# KiCad board SF_01 Compute Board.kicad_pcb (continued)
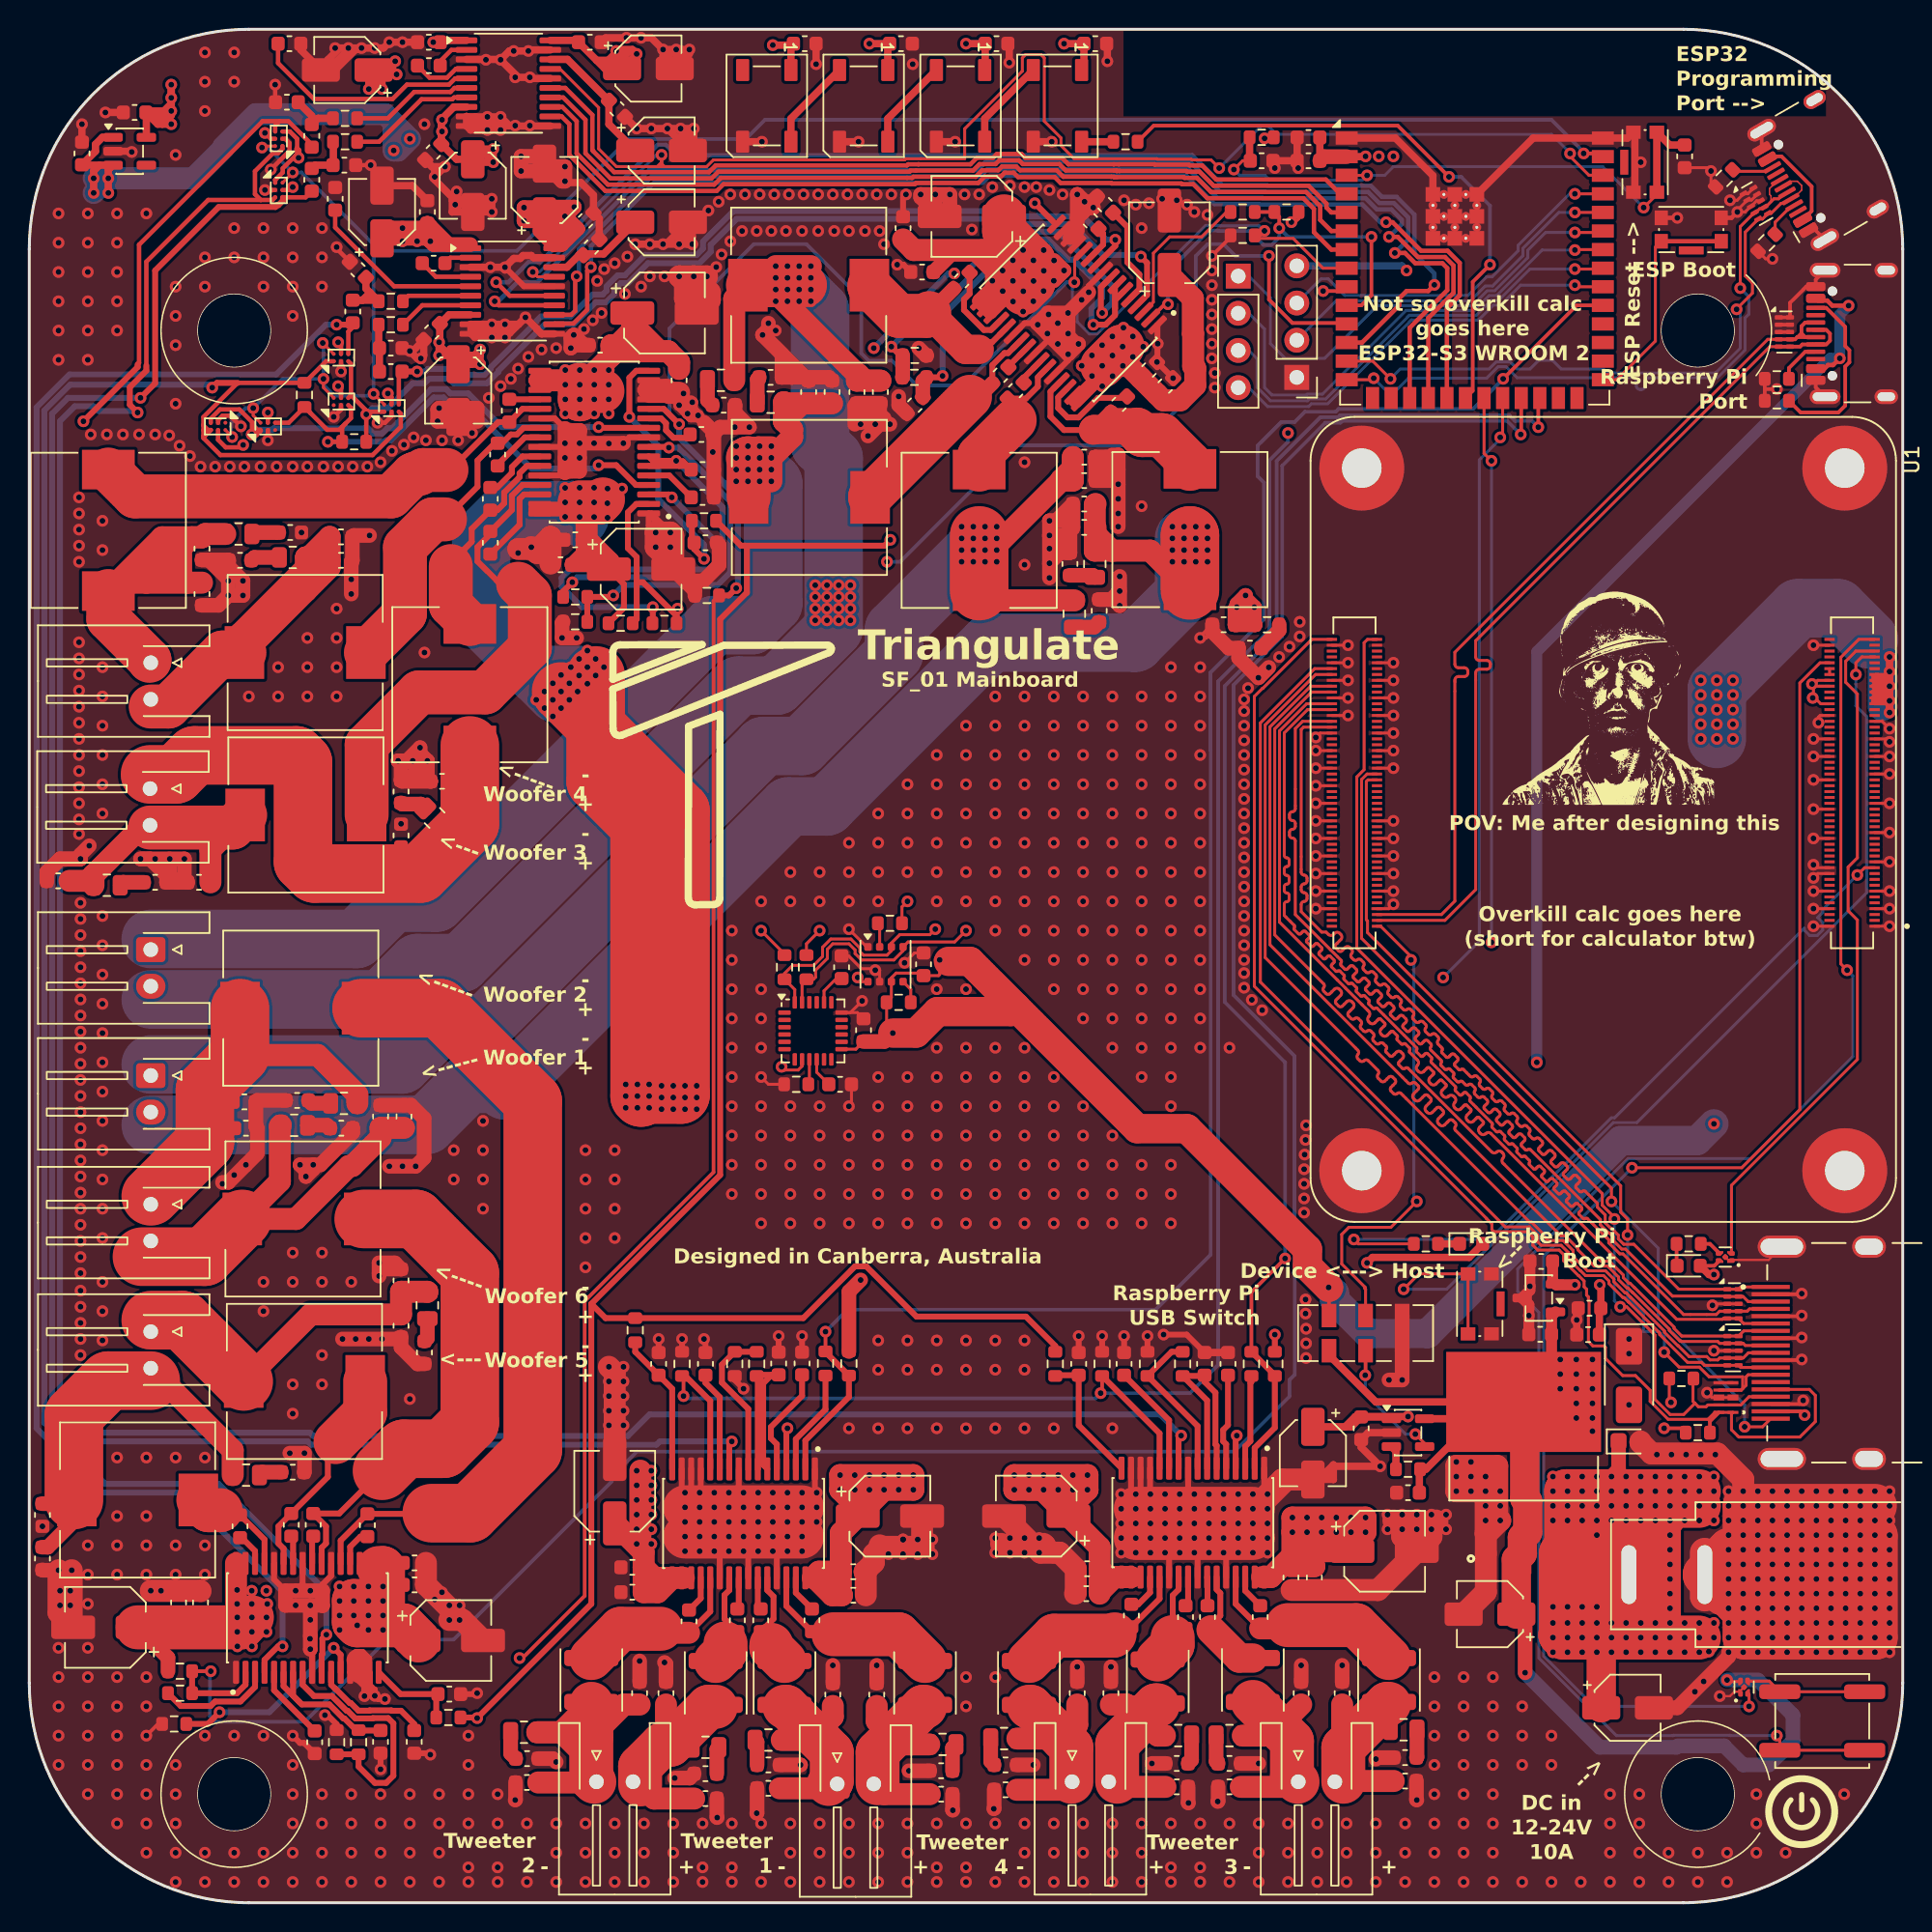
[diagram p0: board, top side]
## Routing (per net, layer and track width the routed paths; a pad name or vN(x,y) marks a point on that pad's centre or on a via; arc(x,y) is an arc through that point) (continued)
/USBC1_DP: length 60.5
  Top w0.2: U7.4 118.78,106.82 97.4,85.43 97.4,84.62 arc(97.47,84.45) 97.64,84.38 98.05,84.38 arc(98.22,84.31) 98.29,84.14 98.29,84.02 arc(98.22,83.85) 98.05,83.78 97.64,83.78 arc(97.47,83.71) 97.4,83.54 97.4,68.43 96.48,67.52 U1.105
  Top w0.25: 120.79,106.97 120.64,106.82 U7.7 U7.4 ; 120.79,106.97 121.85,106.97 ; 120.79,106.97 120.82,106.97 121.08,107.22 ; 121.08,107.22 121.34,106.97 J15.A6 ; 121.08,107.22 121.08,107.71 121.34,107.97 J15.B6
AMP_CLK_SYNC: length 169.3
  Top w0.4: R25.1 48.62,92.72 48.9,92.72 ; 48.9,92.72 58.43,92.72 v1(58.83,93.12) ; 48.9,92.72 49.03,92.59 49.03,89.51 47.2,87.69 47.2,49.72 38.4,40.92 ; v1(68.7,116.12) 70.12,114.69 U17.16 ; R44.1 30.56,12.65 v1(30.6,12.62) 38.4,20.42 38.4,40.92 ; 38.4,40.92 39.38,39.94 R49.1 52.88,39.94 56.41,43.48 57.19,43.48 60.62,40.05 68.09,40.05 70.1,38.04 70.1,37.64
  In2.Cu w0.4: v1(68.7,116.12) 63.9,111.32 v1(63.2,111.32) ; 58.83,93.14 v1(58.83,93.12) 59.53,93.82 59.53,101.32 57.7,103.15 v1(57.7,106.22)
  Bottom w0.4: v1(63.2,111.32) 62.8,111.32 v1(57.7,106.22)
CM4_1.8V(OUTPUT): length 0.4
  Top w0.2: U1.88 U1.90
HDMI_5V: length 37
  Top w0.25: J1.18 121.04,33.57 v1(121.3,33.32)
  Top w0.5: C1.1 107.28,40.52 C2.1 107.38,42.14 v1(107.3,42.22)
  Top w0.75: C5.1 104.07,42.47 104.32,42.22 v1(105.6,42.22)
  In2.Cu w0.75: v1(105.6,42.22) v1(107.3,42.22) 108.78,42.22 113.49,37.51 ; 113.49,37.51 112.69,36.71 112,36.71 ; 113.49,37.51 113.99,37.01 ; 113.3,36.71 113.69,36.71 113.99,37.01 ; 113.3,36.71 114.19,36.71 114.24,36.76 ; 113.3,36.71 112,36.71 ; 114.24,36.76 113.99,37.01 ; 114.24,36.76 117.68,33.32 v1(121.3,33.32) ; 112,36.71 v1(109.3,34.02)
PWR_LED: length 47.1
  Top w0.2: 116.29,44.38 116.3,44.39 116.3,49.02 124.9,57.62 124.9,67.14 124.27,67.77 124.27,70.76 124.9,71.39 124.9,82.59 124.1,83.39 124.1,84.82 124.8,85.52 U1.95
SCL: length 94.8
  Top w0.2: v1(99.9,98.52) 99.4,99.02 99.4,102.81 ; U22.23 52.8,62.79 R68.1 53.58,63.09 53.72,63.24 53.72,63.71 54.53,64.52 54.53,65.14 54.9,65.52 56,65.52 56.42,65.09 56.42,64.85 56.86,64.41 56.9,64.41 56.9,64.41 59.07,64.41 59.7,65.04 U23.4 60.04,65.64 63.22,65.64 v1(64,66.42)
  In2.Cu w0.2: v1(99.9,65.62) 94.2,59.92 80.39,59.92 80.26,59.79 79.74,59.79 79.61,59.92 79.6,59.92 72.47,67.05 64.63,67.05 v1(64,66.42)
  Bottom w0.2: v1(99.9,65.62) v1(99.9,98.52)
SDA: length 96.6
  Top w0.2: U22.24 52.3,62.39 R67.2 51.6,63.49 52.15,64.04 53.59,64.04 54.2,64.65 54.2,65.28 54.76,65.84 56.14,65.84 56.75,65.23 56.75,64.99 57,64.74 58.6,64.74 58.9,65.04 U23.3 58.9,65.57 59.48,66.14 61.53,66.14 v1(61.9,66.52) ; U4.22 100.66,100.28 v1(100.5,100.12)
  In2.Cu w0.2: v1(61.9,66.52) 63.03,67.65 73.87,67.65 81.3,60.22 94,60.22 96,62.22 96,62.62 v1(96.6,63.22)
  Bottom w0.2: v1(100.5,100.12) 100.53,100.09 100.53,100.04 99.07,98.58 99.07,65.69 v1(96.6,63.22)
SYS_5V: length 339.8
  Top w0.2: 116.89,15.14 116.87,15.12 116.1,15.12 v1(116,15.22)
  Top w0.5: U27.5 100.95,33.07 VR1.4 ; SW6.4 88.8,37.41 92,34.22 VR1.4 ; VR1.4 100.03,34.22 95.43,29.62 R12.1 94.97,29.57 C45.2 ; v1(127.1,83.12) 126.7,83.52 U1.85 ; v1(127.1,83.12) 126.7,82.72 U1.81 ; v1(127.1,83.12) U1.83 ; 4.8,118.72 4.4,118.32 v1(4.4,116.82) ; 4.8,118.72 U11.3 5.4,118.39 v1(5.4,116.82) ; 4.8,118.72 3.62,118.72 C12.2 4.53,119.67 4.53,120.14 5,120.62 U11.1 ; 126.1,83.77 126.88,83.77 127.1,83.99 v1(127.1,84.12) v1(127.1,82.12) ; v1(127.1,82.12) 126.9,82.32 U1.79 ; v1(127.1,82.12) 127.05,82.07 126.88,82.07 ; 126.88,82.07 126.4,82.07 ; 126.88,82.07 127.1,81.85 v1(127.1,81.32) v1(127.1,85.12) ; 126.88,82.07 126.08,82.07
  Top w0.75: 104.28,40.37 104,40.1 C4.1 104,36.12 VR1.4
  Top w1: 106.4,31.52 105.7,32.22 ; v1(102.2,15.72) 102.2,19.12 C40.1
  Top w2: VR1.4 102.17,34.14 102.17,27.63 102.38,27.42 102.38,25.32 102.01,24.96 102.01,23.87 101.6,23.46 C40.1
  In2.Cu w1.5: 39.6,113.82 38.81,113.03 37.32,113.03 37.11,112.82 33.24,112.82 31.82,114.24 29.07,114.24 24.9,118.41 24.9,119.52 26,120.62
  In2.Cu w2: 111.3,48.22 111.2,48.12 111.2,45.45 109.83,44.09 105.31,44.09 104.06,42.84 104.06,37.99 104.01,37.95 ; 39.6,113.82 40.63,114.85 40.83,114.85 44.23,118.25 63.35,118.25 63.95,118.85 69.33,118.85 69.46,118.72 71.76,118.72 72.53,117.95 79.33,117.95 80.43,116.85 81.13,116.85 81.36,116.62 86.6,116.62 94.21,109.01 97.97,109.01 115.3,91.68 v1(115.3,81.52)
  In2.Cu w4: 111.3,48.22 112.51,49.43 112.51,51.44 112.01,51.94 112.01,54.5 115.3,57.79 v1(115.3,82.52) ; 104.01,37.95 105.7,36.26 v1(105.7,36.12)
  Bottom w1: v1(102.2,15.72) 107.3,10.62 112.53,10.62 112.63,10.72 115.8,10.72 117.1,9.42 118.86,9.42 120.5,11.06 120.5,12.82 118.1,15.22 v1(116,15.22)
  Bottom w1.5: 25.1,121.42 24.32,122.2 15.48,122.2 13.28,120 13.28,119.89 11.21,117.82 7.2,117.82 ; 25.1,121.42 v1(26,120.52) 25.2,119.72 v1(24.9,119.72) 24.9,121.22 25.1,121.42 ; v1(4.4,116.82) v1(5.4,117.82) 7.2,117.82 ; 7.2,117.82 v1(4.4,117.82)
  Bottom w2: 125.7,86.32 126.6,85.42 126.6,81.75
  Bottom w4: v1(115.3,79.52) v1(115.3,82.52) 115.3,82.89 120.85,88.45 123.57,88.45 125.7,86.32
  vias: v1(104.6,37.12) v1(104.6,36.12) v1(104.6,35.12) v1(105.7,37.12) v1(105.7,35.12) v1(105.7,34.12) v1(105.7,33.12) v1(106.8,37.12) v1(106.8,36.12) v1(106.8,35.12) v1(106.8,34.12) v1(106.8,33.12) v1(106.8,32.22) v1(114.2,83.52) v1(114.2,82.52) v1(114.2,81.52) v1(114.2,80.52) v1(114.2,79.52) v1(115.3,83.52) v1(115.3,80.52) v1(116.4,83.52) v1(116.4,82.52) v1(116.4,81.52) v1(116.4,80.52) v1(116.4,79.52)
TWEETER_1: length 157.4
  Top w0.3: U24.C1 17.8,121.02 18.3,120.52 18.3,119.48 17.32,118.5 17.32,118.22 16.82,117.72 16.81,117.72 16.8,117.7 U12.A1
  Top w0.4: v1(18.4,119.22) 18.4,119.72 18.3,119.82 ; U20.4 51.72,32.34 v1(51.8,32.42)
  In2.Cu w0.4: 38.36,31.46 38.43,31.39 43.67,31.39 44.69,32.42 v1(51.8,32.42) ; 38.36,31.47 38,31.82 4.4,31.82 0.6,35.62 0.6,99.73 8.3,107.43 8.3,110.72 11.27,113.69 18.3,113.69 19.24,114.62 19.24,118.38 v1(18.4,119.22)
TWEETER_2: length 146.5
  Top w0.3: C157.2 18.88,116.52 U12.C2
  Top w0.4: 17.33,116.48 17.33,116.3 17.02,115.98 16.94,115.98 16.82,115.86 12.94,115.86 8.6,111.52 8.6,103.82 v1(7.6,102.82) ; U20.10 47.83,31.34 v1(48,31.52)
  Bottom w0.4: v1(7.6,102.82) 2.64,102.82 1.55,101.73 1.55,33.26 3.3,31.52 19.03,31.52 19.26,31.29 42.85,31.29 43.08,31.52 v1(48,31.52)
TWEETER_3: length 183.3
  Top w0.3: U24.C2 16.8,121.42 17.1,121.72 ; C158.2 19.3,120.12 17.7,121.72 17.1,121.72 ; 17.1,121.72 15.94,121.72 7.5,113.28 7.5,105.2 7.36,105.06
  Top w0.4: U21.4 82.43,31.84 v1(82.5,31.92) ; 7.41,105.11 7.41,104.93 v1(3.7,101.22)
  In2.Cu w0.4: v1(82.5,31.92) 80.51,33.9 45.09,33.9 43.07,31.89 38.63,31.89 38.1,32.42 5.5,32.42 1.4,36.52 1.4,98.92 v1(3.7,101.22)
TWEETER_4: length 180.7
  Top w0.3: 15.82,116.34 15.42,116.74 15.42,118.3 16.66,119.53 17,119.53 17.3,119.83 U24.A1 ; 15.82,116.34 12.22,116.34 8,112.12 8,105.02 ; 15.82,116.34 16.62,116.34 U12.C1
  Top w0.4: U21.10 78.53,31.74 v1(78.7,31.92) ; 8,105.02 8,104.67 6.87,103.54 6.87,102.35 v1(7.4,101.82)
  Bottom w0.4: v1(7.4,101.82) 7.3,101.92 4.73,101.92 4.4,102.25 3.11,102.25 2.1,101.23 2.1,33.82 3.8,32.12 19.18,32.12 19.41,31.89 40.9,31.89 42.38,33.36 77.26,33.36 v1(78.7,31.92)
TWEETER_MUTE: length 133.5
  Top w0.25: v1(44.7,34.62) 44.7,35.89 R46.2 ; v1(88.4,110.12) 89.72,110.12 U4.9 ; v1(73.2,34.82) 73.3,34.92 R56.2
  Top w0.4: U21.12 77.22,32.07 R56.2 ; U20.12 46.53,34.29 44.83,35.99 R46.2
  In2.Cu w0.25: v1(88.4,110.12) 88.4,102.82 v1(86,100.42)
  Bottom w0.25: v1(44.7,34.62) 44.86,34.46 72.84,34.46 v1(73.2,34.82) 79.3,34.82 81.22,36.74 81.22,83.44 84.73,86.95 84.73,98.55 86,99.82 v1(86,100.42)
TWT_1_2_SHDN: length 124.3
  Top w0.25: R50.2 v1(54.4,39.02) ; v1(100.7,104.12) 105.72,109.14 U4.31
  Top w0.4: R50.2 54.4,37.62 R45.2 56,34.56 53.03,31.58 U20.2
  Bottom w0.25: v1(54.4,39.02) 55.9,40.52 76.95,40.52 80.71,44.27 80.71,78.76 80.7,78.77 80.7,84.04 84.35,87.7 84.35,97.03 83.92,97.46 83.92,99.55 85.54,101.17 86.46,101.17 87.16,101.87 89.27,101.87 89.46,102.06 98.64,102.06 v1(100.7,104.12)
TWT_3_4_SHDN: length 96
  Top w0.25: 83.5,37.94 83.5,37.64 83.5,41.72 v1(85.8,44.02) ; U4.24 103.1,102.7 v1(103.1,100.82)
  Top w0.4: 83.5,37.64 85.1,36.04 R55.2 85.1,32.46 83.72,31.08 U21.2
  Bottom w0.25: v1(103.1,100.82) 102.68,101.24 101.51,101.24 101.13,101.62 89.55,101.62 89.42,101.49 88.21,101.49 85.22,98.51 85.22,86.67 81.68,83.13 81.68,61.54 85.8,57.42 v1(85.8,44.02)
VSYS: length 1039.2
  Top w0.2: R16.1 86.72,115.04 86.51,114.82 v1(86.23,114.82)
  Top w0.4: R26.1 40.63,88.47 40.63,90.09 C83.1 ; 85.1,37.64 v1(85.1,38.82)
  Top w1: R45.1 56,41.75 v1(56.8,42.55) ; R35.1 9.47,16.74 C104.1 ; U17.18 66.51,110.1 v1(66.51,110.11) 66.51,109.54 65.66,108.69 U17.17 65.8,110.31 v1(65.8,110.82) 65.8,111.44 64.61,112.63 62.99,112.63 C49.1 ; v1(70.01,112.2) v1(70.7,111.52) v1(70,110.82) ; C24.1 82.5,87.32 v1(83.7,88.52) ; C24.1 82.38,88.39 v1(82.5,88.52) ; C24.1 R15.1 ; C83.1 39.3,91.42 C81.1 38.08,92.42 C79.1 ; v1(82.5,88.52) 82.5,88.72 v1(83.1,89.32) 83.1,89.12 v1(83.7,88.52) ; v1(82.5,88.52) 83.7,87.32 R15.1 ; 71.5,102.62 73.31,104.42 v1(73.31,105.01) ; v1(37.6,95.68) 37.14,95.22 34.6,95.22 ; R15.1 83.7,87.37 v1(83.7,88.52) ; v1(108.1,29.12) 108.59,29.6 C41.1
  Top w1.5: 86.6,24.02 87.62,22.99 C164.1 C163.1 ; 86.6,24.02 C161.1 ; 86.6,24.02 86.3,23.72 ; 39.78,105.7 38.6,104.53 v1(38.6,103.72) ; 39.78,105.7 C82.1 40.2,106.42 41.2,107.42 41.2,107.84 ; 39.78,105.7 40.07,106 43.64,106 ; C80.1 44.4,105.24 43.64,106 ; v1(72.3,28.22) v1(68.3,28.22) ; v1(72.3,28.22) v1(72.3,29.22) v1(67.3,29.22) v1(67.3,28.22) 69.2,28.22 C167.1 ; v1(72.3,28.22) 71,26.92 C167.1 ; v1(86.3,25.32) 86.3,23.72 ; v1(86.3,25.32) v1(86.3,26.32) v1(91.3,26.32) v1(91.3,25.32) v1(87.3,25.32) ; v1(86.3,25.32) 88.2,25.32 ; 86.3,23.72 84.83,22.25 84.23,22.25 ; C133.1 41.97,23.94 C135.1 ; C79.1 38.08,92.64 C83.1 39.6,91.59 C79.1 ; C79.1 38.08,95.16 v1(38.59,95.68) ; 43.64,106 43.05,106 41.2,107.84 ; C78.1 41.2,107.84 ; 53.53,22.2 53.95,22.62 55.45,22.62 ; U20.17 42.94,21.22 C136.1 C135.1 ; v1(37.61,103.72) 37.31,104.02 U18.18 ; C167.1 73.13,24.29 73.13,22.82 ; 55.45,22.62 55.45,21.09 C138.1 54.87,21.01 U20.32 ; 55.45,22.62 55.45,25.26 C139.1 ; 73.13,21.25 73.13,22.82 ; 73.13,21.25 74.13,22.25 U21.18 73.7,22.25 73.13,22.82 ; 73.13,21.25 73.13,21.12 ; v1(41.5,24.52) 41.75,24.77 41.75,29.52 ; U19.32 14.12,20.58 v1(15.21,19.5) ; C54.1 79.5,109.62 79.5,107.22 79.52,107.2 79.52,104.99 79.66,104.84 79.66,103.66 78.65,102.65 77.47,102.65 C53.1 C52.1 75.12,105 v1(74.71,105) ; v1(56.4,28.22) v1(60.4,28.22) v1(60.4,29.22) v1(55.4,29.22) v1(55.4,28.22) 56.6,27.02 C139.1 ; 44.72,22.2 42.69,22.2 C135.1 ; C139.1 v1(58.4,28.22) ; v1(66.5,111.52) 65.1,112.92 60.43,112.92 C50.1
  Top w2: v1(112.1,26.12) 111.84,25.86 111.84,18.37 v1(112.1,18.12) ; C3.1 107.4,17.82 v1(107.1,18.12)
  Top w3: 110.1,25.52 109.7,25.52 v1(108.1,27.12) ; 110.1,25.52 v1(110.1,27.12) ; 110.1,25.52 110.1,20.12 v1(109.1,19.12) ; 39.16,103.29 38.18,103.29 v1(37.61,102.72) v1(37.61,103.72) ; 23.88,22.87 24.15,22.87 24.17,22.85 v1(24.17,20.62) ; v1(68.61,112.21) 68.61,110.68 67.9,109.97 ; v1(68.61,112.21) 66.6,114.22 C51.1 ; v1(68.61,112.21) 67.01,110.62 ; 105.28,22.42 104.73,22.97 104.73,23.87 ; 105.28,22.42 107,22.42 ; 105.28,22.42 105.28,22.04 v1(107.1,20.22) ; C104.1 14.53,18.82 v1(15.21,19.5) ; v1(107.1,26.12) 107,26.02 107,22.42 ; 114.07,28.12 105,28.12 105,24.23 VR1.3 104.64,18.36 104.6,18.32 104.8,18.12 114.07,18.12 ; 107,22.42 J2.1 ; v1(73.31,105.01) 74.61,106.32 v1(74.7,106.32) ; v1(37.6,95.68) 39,95.68 39.2,95.88 ; v1(107.1,27.12) 114.07,27.12 ; v1(23.17,20.62) v1(22.17,20.62) 22.17,19.19 v1(22.41,18.95) 25.56,18.95 C110.1
  Top w4: v1(38.7,83.85) 38.7,76.62 41.7,73.62 41.7,55.12 41.8,55.02 42,55.22 44.5,55.22 44.5,74.59 v1(36.33,82.75)
  In2.Cu w0.5: v1(75.4,107.02) 75.4,108.22 82.26,115.08 84.96,115.08 85.08,115.2 85.86,115.2 v1(86.23,114.82)
  In2.Cu w3: v1(74.01,105.71) 74.09,105.71 v1(74.7,106.32)
  In2.Cu w4: 73.55,21.39 73.45,21.29 54.05,21.29 53.85,21.49 ; 73.55,21.39 85.65,21.39 ; 73.55,21.39 72.07,22.87 72.07,26.45 v1(70.3,28.22) ; 85.65,21.39 89.96,21.39 90.56,21.99 ; 85.65,21.39 88.13,23.87 88.13,24.42 ; 53.85,21.49 42.75,21.49 41.27,22.97 41.27,28.52 ; 53.85,21.49 56.17,23.81 56.17,24.86 56.4,25.09 v1(56.4,28.22) ; v1(109.1,18.12) 112.73,18.12 113.14,17.71 ; 56.33,28.42 56.33,28.75 56.8,29.22 v1(70.3,29.22) ; 23.6,26.42 23.6,20.92 22.44,19.76 ; v1(39.5,95.62) 39.44,95.68 v1(37.6,95.68) 37.13,96.15 35.59,96.15 34.07,97.67 34.07,101.14 36.62,103.69 38.05,103.69 ; 68.87,111.5 68.87,111.51 v1(67.91,111.51) 66.37,109.97 66.37,106.77 69.87,103.27 72.03,103.27 73.9,105.14 73.9,105.22 ; 38.05,103.69 38.84,104.48 ; 38.05,103.69 38.05,103.35 39.25,103.35 ; 37.42,102.91 38.22,103.72 v1(38.6,103.72) 43.05,108.16 45.47,108.16 49.05,104.59 52.49,104.59 56.82,108.92 62.02,108.92 62.15,108.79 66.29,108.79 67.06,109.56 ; 110.26,19.17 111.26,20.17 111.26,25.25 113.53,27.52 109.5,27.52 v1(109.1,27.12) ; 15.1,26.42 15.1,19.4 v1(14.21,18.51)
  In2.Cu w5: 86.03,32.99 83.8,35.22 83.8,41.42 82.5,42.72 82.5,41.92 83.9,40.52
  In2.Cu w6: 88.13,24.42 90.56,21.99 108.86,21.99 J2.1 109.29,24.53 98.92,34.9 98.92,45.94 106.92,53.94 106.92,60.81 108.2,62.09 ; 101.36,62.09 103.43,64.15 103.43,64.65 105.25,66.47 ; 101.36,62.09 108.2,62.09 ; 101.36,62.09 100.88,62.09 95.52,56.73 85.81,56.73 82.07,52.99 82.07,42.35 82.5,41.92 81.87,42.55 v1(56.8,42.55) 48.88,42.55 44,47.42 ; v1(41.55,55.11) 44,52.66 44,47.42 ; 105.25,66.47 109.63,62.09 ; 105.25,66.47 107.3,68.52 107.3,82.02 ; 107.3,82.02 107.3,83.25 99.5,91.05 ; 107.3,82.02 99.5,89.82 99.5,91.05 ; 108.2,62.09 109.63,62.09 ; 109.63,62.09 109.63,83.04 101.62,91.05 92.7,91.05 ; 15.1,26.42 28.29,26.42 34.46,20.25 105.97,20.25 v1(107.1,19.12) 110.2,19.12 110.26,19.17 110.71,18.72 ; 92.7,91.05 88.48,91.05 ; 92.7,91.05 99.5,91.05 ; 88.48,91.05 78.91,100.62 74.68,100.62 72.73,102.56 ; 88.48,91.05 84.83,91.05 84.03,90.25 ; 104.6,26.12 105.6,27.12 v1(109.1,27.12) ; 44,47.42 v1(44,55.02) ; v1(88.3,25.32) 88.3,30.72 86.03,32.99 ; 110.21,62.42 106.92,59.13 106.92,56.04
  Bottom w4: 33.2,85.42 30.87,87.75 30.87,93.26 32.75,95.15 37.13,95.15 v1(37.6,94.68) ; 33.2,85.42 34.73,83.89 37.51,83.89 ; 33.2,85.42 36,82.62
  vias: v1(14.2,21.37) v1(14.2,20.42) v1(14.21,19.5) v1(14.22,17.52) v1(15.2,21.32) v1(15.2,20.42) v1(15.21,18.51) v1(15.21,17.52) v1(16.2,21.32) v1(16.21,19.5) v1(16.21,18.51) v1(16.26,20.42) v1(21.2,21.61) v1(21.2,20.62) v1(21.2,19.63) v1(21.2,18.64) v1(22.17,21.61) v1(22.17,19.63) v1(23.17,21.61) v1(23.17,19.63) v1(23.17,18.64) v1(24.17,21.61) v1(24.17,19.63) v1(24.17,18.64) v1(34.64,82.19) v1(35.2,82.75) v1(35.2,81.62) v1(35.77,83.32) v1(35.77,82.19) v1(35.77,81.05) v1(36.33,83.88) v1(36.33,81.62) v1(36.62,104.72) v1(36.62,103.72) v1(36.62,102.72) v1(36.62,101.75) v1(36.61,96.67) v1(36.61,95.68) v1(36.61,94.69) v1(36.9,83.32) v1(36.9,82.19) v1(37,84.42) v1(37.47,82.75) v1(37.61,104.72) v1(37.61,101.75) v1(37.6,96.68) v1(37.57,84.98) v1(37.57,83.85) v1(38.13,85.55) v1(38.13,84.42) v1(38.13,83.29) v1(38.6,104.72) v1(38.6,102.72) v1(38.6,101.75) v1(38.59,96.68) v1(38.59,94.68) v1(38.7,84.98) v1(39.26,84.42) v1(39.51,96.62) v1(39.51,94.63) v1(39.59,104.72) v1(39.59,103.72) v1(39.59,102.72) v1(39.59,101.75) v1(40.5,96.62) v1(40.75,55.91) v1(40.75,55.11) v1(40.75,54.31) v1(41.5,29.52) v1(41.5,28.52) v1(41.5,27.52) v1(41.5,26.52) v1(41.5,25.52) v1(41.55,55.91) v1(41.55,54.31) v1(42.35,55.91) v1(42.35,55.11) v1(42.35,54.31) v1(42.5,29.52) v1(42.5,28.52) v1(42.5,27.52) v1(42.5,26.52) v1(42.5,25.52) v1(42.5,24.52) v1(43.2,55.82) v1(43.2,55.02) v1(43.2,54.22) v1(44,55.82) v1(44,54.22) v1(44.8,55.82) v1(44.8,55.02) v1(44.8,54.22) v1(45.6,55.82) v1(45.6,55.02) v1(45.6,54.22) v1(56.4,29.22) v1(57.4,29.22) v1(57.4,28.22) v1(58.4,29.22) v1(59.4,29.22) v1(59.4,28.22) v1(67.2,112.22) v1(67.21,110.81) v1(67.21,109.4) v1(67.9,112.92) v1(67.91,110.1) v1(67.9,108.72) v1(68.3,29.22) v1(68.61,110.8) v1(68.6,109.42) v1(69.31,112.91) v1(69.31,111.5) v1(69.3,110.12) v1(69.3,29.22) v1(69.3,28.22) v1(71.3,29.22) v1(71.3,28.22) v1(71.91,105.01) v1(72.6,105.72) v1(72.61,104.31) v1(73.3,106.42) v1(73.31,103.61) v1(74,107.02) v1(74.01,104.3) v1(74.76,107.61) v1(75.4,105.62) v1(76.11,106.31) v1(87.3,26.32) v1(88.3,26.32) v1(89.3,26.32) v1(89.3,25.32) v1(90.3,26.32) v1(90.3,25.32) v1(104.1,29.12) v1(104.1,28.12) v1(104.1,27.12) v1(104.1,26.12) v1(104.1,20.22) v1(104.1,19.12) v1(104.1,18.12) v1(104.1,17.12) v1(105.1,29.12) v1(105.1,28.12) v1(105.1,27.12) v1(105.1,26.12) v1(105.1,20.22) v1(105.1,19.12) v1(105.1,18.12) v1(105.1,17.12) v1(106.1,29.12) v1(106.1,28.12) v1(106.1,27.12) v1(106.1,26.12) v1(106.1,20.22) v1(106.1,19.12) v1(106.1,18.12) v1(106.1,17.12) v1(107.1,29.12) v1(107.1,28.12) v1(107.1,25.12) v1(107.1,17.12) v1(108.1,28.12) v1(108.1,26.12) v1(108.1,19.12) v1(108.1,18.12) v1(108.1,17.12) v1(109.1,29.12) v1(109.1,28.12) v1(109.1,26.12) v1(109.1,17.12) v1(110.1,29.12) v1(110.1,28.12) v1(110.1,26.12) v1(110.1,19.12) v1(110.1,18.12) v1(110.1,17.12) v1(111.1,29.12) v1(111.1,28.12) v1(111.1,27.12) v1(111.1,26.12) v1(111.1,19.12) v1(111.1,18.12) v1(111.1,17.12) v1(112.1,29.12) v1(112.1,28.12) v1(112.1,27.12) v1(112.1,25.12) v1(112.1,24.12) v1(112.1,23.12) v1(112.1,22.12) v1(112.1,21.12) v1(112.1,20.12) v1(112.1,19.12) v1(112.1,17.12) v1(113.1,29.12) v1(113.1,28.12) v1(113.1,27.12) v1(113.1,26.12) v1(113.1,19.12) v1(113.1,18.12) v1(113.1,17.12) v1(114.1,29.12) v1(114.1,28.12) v1(114.1,27.12) v1(114.1,26.12) v1(114.1,19.12) v1(114.1,18.12) v1(114.1,17.12) v1(114.75,17.16) v1(115.1,29.12) v1(115.1,28.12) v1(115.1,27.12) v1(115.1,26.12) v1(115.1,19.12) v1(115.1,18.12)
WFR_1_2_SHDN: length 28.9
  Top w0.25: R17.2 R16.2 85.4,115.19 v1(85.4,114.42) ; v1(91.7,113.82) 91.7,109.83 91.01,109.14 U4.10 ; v1(77.8,109.22) 77.58,109.22 U17.2
  Bottom w0.25: v1(77.8,109.22) 77.8,111.44 80.6,114.24 81.21,114.24 81.23,114.22 83.37,114.22 84.33,113.26 84.87,113.26 85.4,113.79 v1(85.4,114.42) 86,113.82 v1(91.7,113.82)
WFR_3_4_SHDN: length 99
  Top w0.25: v1(84.7,112.52) 84.7,109.54 86.3,107.93 89.94,107.93 U4.11
  Top w0.4: v1(44.3,88.42) 44.22,88.34 44.22,87.42 44.22,87.92 41.93,90.22 41.5,90.22 ; 41.5,90.22 41.5,91.94 40.9,92.54 40.9,95 41.47,95.57 U18.2 ; 41.5,90.22 41.5,87.69 41.22,87.42
  In2.Cu w0.25: v1(58.6,91.62) 57.94,92.27 57.94,98.47 54.9,101.52 46.53,101.52 46.05,101.04 46.05,98.85 46.75,98.14 46.75,90.87 v1(44.3,88.42)
  Bottom w0.25: v1(84.7,112.52) 82.4,112.52 81.6,113.32 80.5,113.32 79.7,112.52 79.7,103.32 75.96,99.57 67.46,99.57 59.5,91.62 v1(58.6,91.62)
WFR_5_6_SHDN: length 181.2
  Top w0.25: v1(101.9,100.32) 101.94,100.35 U4.23 ; R35.2 v1(12.4,15.82)
  Top w0.4: R35.2 R39.2 14.2,14.32 14.78,14.9 U19.2
  Bottom w0.25: v1(12.4,15.82) 12.34,15.76 12.34,12.75 12.73,12.36 18.82,12.36 24.44,17.98 28.99,17.98 39.8,28.79 39.8,29.12 41.5,30.82 82.33,30.82 86.1,34.59 86.1,35.72 86.46,36.07 86.46,44.57 86.44,44.58 86.44,57.85 82.28,62.01 82.28,83.19 85.6,86.52 85.6,98.17 88.54,101.12 89.58,101.12 89.7,101.24 100.97,101.24 v1(101.9,100.32)
WOOFER_1: length 71.5
  Top w0.3: U15.C2 21.98,103 ; 21.98,103 23.11,101.87 23.2,101.87 ; 21.98,103 21.98,105.14 U13.C1 ; R73.1 v1(23.03,101.69) 23.2,101.87 ; 23.2,101.87 U25.A1
  Top w0.4: v1(75.95,112.47) 76.37,112.04 76.37,109.85 U17.4
  Bottom w0.4: v1(75.95,112.47) 75.83,112.59 73.33,112.59 71.23,114.69 70.05,114.69 70.05,114.69 68.65,114.69 68.64,114.7 67.16,114.7 66.82,115.05 48.33,115.05 46.56,113.27 46.56,112.8 45.78,112.02 42.27,112.02 40.91,110.66 40.41,110.66 39.97,110.22 39.97,109.92 39.41,109.35 38.7,109.35 37.2,107.85 35.23,107.85 32.06,104.67 32.06,104.6 31.28,103.82 28.99,103.82 28.69,104.12 27.31,104.12 27.01,103.82 26.2,103.82 25.23,102.85 25.23,102.81 24.8,102.39 24.77,102.39 24.5,102.12 23.45,102.12 v1(23.03,101.69)
WOOFER_2: length 59.5
  Top w0.3: C190.2 25.25,104.39 U25.C2
  Top w0.4: U17.10 74.2,113.2 v1(74.2,113.62) ; C190.2 v1(26.5,104.62)
  Bottom w0.4: v1(74.2,113.62) 73.58,113.62 71.98,115.22 70.27,115.22 70.26,115.22 68.86,115.22 68.86,115.23 67.38,115.23 67.03,115.57 48.11,115.57 46.03,113.49 46.03,113.01 45.6,112.59 42.09,112.59 40.69,111.19 40.19,111.19 39.44,110.44 39.44,110.14 39.19,109.88 38.49,109.88 36.98,108.37 34.96,108.37 34.63,108.05 34.63,108.01 31.53,104.91 31.53,104.81 31.1,104.39 29.17,104.39 28.75,104.8 27.25,104.8 27.06,104.62 v1(26.5,104.62)
WOOFER_3: length 35.7
  Top w0.3: 19.19,101.8 19.2,101.79 ; 19.19,101.8 R72.1 17.72,101.12 U16.C2 ; 19.19,101.8 20.36,100.64 21.18,100.64 21.58,101.04 ; 21.58,101.04 21.98,101.44 21.98,102.14 U15.C1 ; 21.58,101.04 21.38,100.83 R73.2 v1(20.4,99.82)
  Top w0.4: U18.4 41.45,96.87 40.1,98.22 v1(38.9,98.22)
  Bottom w0.4: v1(38.9,98.22) 38.67,97.99 34.33,97.99 29.93,102.39 28.76,102.39 28.3,102.85 27.63,102.85 24.71,99.92 24.39,99.92 24.28,99.82 v1(20.4,99.82)
WOOFER_4: length 35.9
  Top w0.3: U16.A1 15.61,100.62 15.32,100.91 15.32,101.07 14.36,102.03 13.02,102.03 12.4,101.4 U26.C1
  Top w0.4: 15.27,101.05 15.27,100.38 v1(15.2,100.32) 15.5,100.32 15.77,100.58 ; U18.10 38.95,100.77 v1(38.9,100.82)
  Bottom w0.4: v1(15.2,100.32) 15.53,100.65 16.6,100.65 16.7,100.74 23.14,100.74 23.5,100.39 24.1,100.39 24.46,100.74 24.78,100.74 27.45,103.42 28.48,103.42 28.78,103.12 30,103.12 32.3,100.82 v1(38.9,100.82)
WOOFER_5: length 123.7
  Top w0.3: U13.C2 21.8,107.34 22.4,107.94
  Top w0.4: v1(17.3,17.52) 17,17.52 16.08,16.59 U19.4 ; v1(21,107.82) 21.97,107.82 C188.2
  Bottom w0.4: v1(17.3,17.52) 17.3,21.25 10.53,28.02 4.9,28.02 0.5,32.42 0.5,102.17 2.75,104.42 16.87,104.42 20.27,107.82 v1(21,107.82)
WOOFER_6: length 142.7
  Top w0.3: 11.9,100.22 11.9,100.07 13.06,98.91 23.45,98.91 25.38,100.84 25.38,101.73 U25.C1 ; 11.9,100.22 11.9,100.62 ; 11.9,100.22 12,100.22 U26.C2 ; 11.9,100.93 11.9,100.62 ; 11.9,100.93 11.9,101.51 14.23,103.84 18.8,103.84 20.28,105.32 U13.A1 ; 11.9,100.93 12.21,100.62 U26.C2 ; 11.9,100.93 11.9,101.02 ; 11.9,100.62 U26.C2
  Top w0.4: U19.10 19.97,16.93 20.03,16.98 20.03,18.04 v1(20.3,18.32) ; v1(12.5,103.52) 12.83,103.84 14.23,103.84
  Bottom w0.4: v1(20.3,18.32) 20.3,21.25 12.93,28.62 5.2,28.62 1.03,32.79 1.03,101.95 2.79,103.72 12.3,103.72 v1(12.5,103.52)
WOOFER_MUTE: length 197.9
  Top w0.2: U4.8 88.39,111.68 86.35,113.71 83.93,113.71 R20.2 84.12,113.92 84.39,114.18 v1(84.39,114.23) ; U17.12 71.43,112.26 71.43,110.74 v1(71.4,110.72)
  Top w0.25: v1(33.5,16.72) 33.7,16.72 37.95,20.96 37.95,41.1 46.75,49.91 46.75,88.94 R27.2
  Top w0.4: v1(13,13.02) 12.2,12.22 10.72,12.22 ; U19.12 21.28,16.94 v1(20.8,17.42) ; U18.12 43.35,102.07 v1(44.4,101.02) ; R27.2 47.8,89.32 v1(48.3,89.82)
  In2.Cu w0.25: v1(20.8,17.42) 21.5,16.72 v1(33.5,16.72)
  Bottom w0.2: v1(84.39,114.23) 84.05,114.57 81.38,114.57 81.35,114.6 80.37,114.6 72.96,107.19 72.43,107.19 71.6,108.02 71.6,108.92 71.27,109.26 71.27,110.59 v1(71.4,110.72)
  Bottom w0.25: v1(71.4,110.72) 70.87,110.72 63.82,103.66 60.63,103.66 58.93,105.36 57.34,105.36 56.84,105.86 56.84,109.57 53.1,113.32 49.5,113.32 43.75,107.56 43.75,101.67 v1(44.4,101.02)
  Bottom w0.4: v1(48.3,89.82) 48.41,89.93 48.41,95.97 47.5,96.88 47.5,96.99 44.4,100.09 v1(44.4,101.02) ; v1(20.8,17.42) 16.4,13.02 v1(13,13.02)
Net-(C10-Pad1): length 3.3
  Top w0.3: 20.83,120.27 20.78,120.32
  Top w0.5: 19.3,118.49 19.53,118.72 20.83,118.72 20.78,118.77 20.78,120.32
Net-(C11-Pad2): length 3.5
  Top w0.5: C11.2 19.3,122.09 19.3,121.49 19.72,121.92 R8.2
Net-(C43-Pad1): length 2.1
  Top w1: C43.1 85.4,86.94 R15.2
Net-(C63-Pad1): length 1.8
  Top w1: R22.1 72.76,87.15 C63.1
Net-(C64-Pad2): length 1.8
  Top w1: R21.2 72.66,90.69 C64.2
Net-(C69-Pad2): length 1.8
  Top w1: C69.2 49.74,104.08 R23.2
Net-(C70-Pad1): length 1.8
  Top w1: C70.1 46.34,102.65 R24.1
Net-(C96-Pad2): length 1.7
  Top w1: R31.2 6.41,69.72 C96.2
Net-(C97-Pad1): length 1.8
  Top w1: C97.1 25.48,75.06 26.75,75.06 R32.1
Net-(C98-Pad2): length 2
  Top w1: R33.2 15.38,91.92 C98.2
Net-(C99-Pad1): length 1.9
  Top w1: C99.1 15.31,93.62 R34.1
Net-(C123-Pad2): length 1.6
  Top w1: R40.2 15.92,29.42 C123.2
Net-(C124-Pad1): length 1.6
  Top w1: C124.1 27.2,38.57 R41.1
Net-(C125-Pad2): length 1.6
  Top w1: C125.2 20.35,53.12 R42.2
Net-(C126-Pad1): length 1.6
  Top w1: R43.1 19.28,54.62 C126.1
Net-(C153-Pad2): length 1.9
  Top w1: R51.2 63.07,10.58 C153.2
Net-(C154-Pad1): length 1.8
  Top w1: R52.1 49.72,10.98 C154.1
Net-(C155-Pad2): length 1.9
  Top w1: C155.2 46.97,10.48 R53.2
Net-(C156-Pad1): length 1.9
  Top w1: C156.1 32.89,10.2 R54.1
Net-(C181-Pad2): length 1.9
  Top w1: C181.2 94.81,9.95 R61.2
Net-(C182-Pad1): length 2
  Top w1: C182.1 81.09,9.65 R62.1
Net-(C183-Pad2): length 2
  Top w1: C183.2 79.41,9.75 R63.2
Net-(C184-Pad1): length 1.9
  Top w1: R64.1 65.69,9.65 C184.1
Net-(C188-Pad1): length 4.6
  Top w0.5: 23.29,110 23,110.29 C35.2 ; 23.29,110 R10.2 23.8,109.49 22.4,109.49 22.78,109.49 23.29,110
Net-(C190-Pad1): length 3.2
  Top w0.5: R11.2 23.88,106.27 C36.1 C190.1
Net-(D2-DIN): length 2.2
  Top w0.5: D2.4 R14.1
Net-(D2-DOUT): length 6.3
  Top w0.5: D2.2 65.28,121.9 D5.4